# EAGLE board Mk4 Final a Panel score 2x5 (EAGLE 9.0.1), part 25 of 29 (continued)
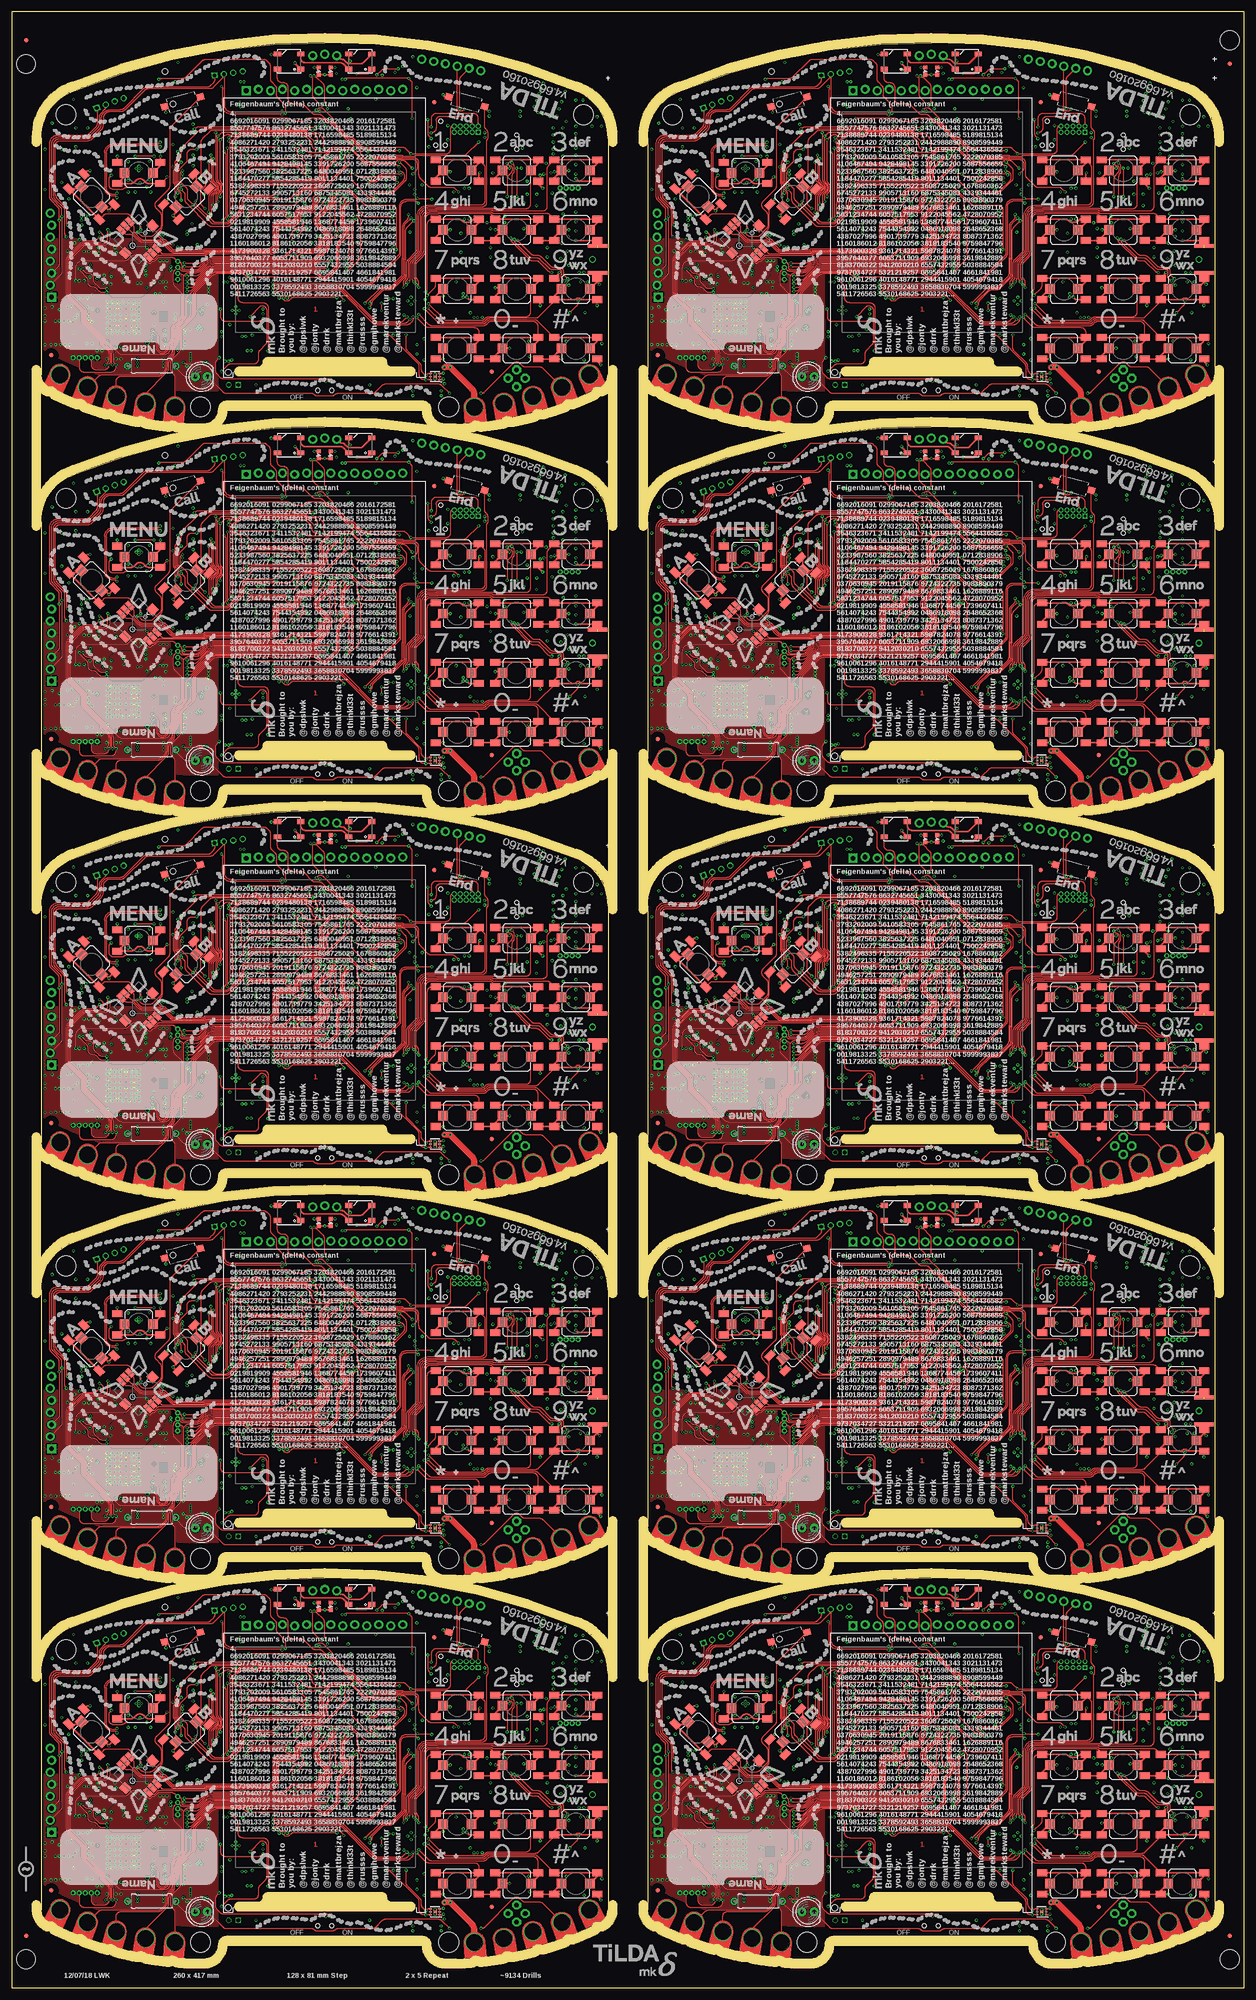
[diagram p0: board, top side]
## Tracks (layer width: path | path; a pad name or v marks a point on that pad's centre or on a via) (continued)
SWO6  (via drill 0.3)
  Top 0.2: v87.75,313.25 87.75,310.41 arc45 88.04,309.71 v88.5,309.25
  Bottom 0.2: J63.6 95.9,313.3 arc90 94.9,314.3 89.16,314.3 arc45 88.46,314.01 87.75,313.3 v87.75,313.25 87.75,312.75 84.89,309.89 arc-45 84.19,309.6 78.51,309.6 arc45 77.81,309.31 76.99,308.49 arc-45 76.29,308.2 75.78,308.2 arc-45 75.43,308.35 75.37,308.4 arc45 75.02,308.55 75,308.55 74.98,308.55 arc45 74.63,308.4 74.57,308.35 arc-45 74.22,308.2 IC110.97 | JP55.6 88.66,309.09 v88.5,309.25
SWO7  (via drill 0.3)
  Top 0.2: v215.75,313.25 215.75,310.41 arc45 216.04,309.71 v216.5,309.25
  Bottom 0.2: J73.6 223.9,313.3 arc90 222.9,314.3 217.16,314.3 arc45 216.46,314.01 215.75,313.3 v215.75,313.25 215.75,312.75 212.89,309.89 arc-45 212.19,309.6 206.51,309.6 arc45 205.81,309.31 204.99,308.49 arc-45 204.29,308.2 203.78,308.2 arc-45 203.43,308.35 203.37,308.4 arc45 203.02,308.55 203,308.55 202.98,308.55 arc45 202.63,308.4 202.57,308.35 arc-45 202.22,308.2 IC128.97 | JP64.6 216.66,309.09 v216.5,309.25
SWO8  (via drill 0.3)
  Top 0.2: v87.75,394.25 87.75,391.41 arc45 88.04,390.71 v88.5,390.25
  Bottom 0.2: J83.6 95.9,394.3 arc90 94.9,395.3 89.16,395.3 arc45 88.46,395.01 87.75,394.3 v87.75,394.25 87.75,393.75 84.89,390.89 arc-45 84.19,390.6 78.51,390.6 arc45 77.81,390.31 76.99,389.49 arc-45 76.29,389.2 75.78,389.2 arc-45 75.43,389.35 75.37,389.4 arc45 75.02,389.55 75,389.55 74.98,389.55 arc45 74.63,389.4 74.57,389.35 arc-45 74.22,389.2 IC146.97 | JP73.6 88.66,390.09 v88.5,390.25
SWO9  (via drill 0.3)
  Top 0.2: v215.75,394.25 215.75,391.41 arc45 216.04,390.71 v216.5,390.25
  Bottom 0.2: J93.6 223.9,394.3 arc90 222.9,395.3 217.16,395.3 arc45 216.46,395.01 215.75,394.3 v215.75,394.25 215.75,393.75 212.89,390.89 arc-45 212.19,390.6 206.51,390.6 arc45 205.81,390.31 204.99,389.49 arc-45 204.29,389.2 203.78,389.2 arc-45 203.43,389.35 203.37,389.4 arc45 203.02,389.55 203,389.55 202.98,389.55 arc45 202.63,389.4 202.57,389.35 arc-45 202.22,389.2 IC164.97 | JP82.6 216.66,390.09 v216.5,390.25
T3CCPO_WS1  (via drill 0.3)
  Top 0.2: v209.8,61.3 210.91,60.19 arc-45 211.2,59.49 211.2,57.91 arc-45 210.91,57.21 208.59,54.89 arc-45 207.89,54.6 v204.3,54.6 | v209.8,63.7 203.71,63.7 arc-45 203.57,63.76 203.39,63.94 arc45 203.25,64 202.32,64 arc-45 201.61,64.29 200,65.9 arc45 199.65,66.05 199.52,66.05 arc-45 198.82,66.34 195.46,69.7 arc45 195.21,69.8 arc-45 194.51,70.09 193.59,71.01 arc45 192.89,71.3 192.11,71.3 arc-45 191.41,71.59 189.79,73.21 arc45 189.09,73.5 187.36,73.5 arc-90 186.36,74.5 186.36,77 arc90 185.36,78 185.05,78 arc-90 184.05,79 LED7.4
  Bottom 0.2: v209.8,63.7 v209.8,61.3 | v204.3,54.6 204.17,54.47 arc-45 203.82,54.33 203.57,54.33 arc45 203.22,54.18 203.19,54.15 arc-45 202.83,54 IC20.125
T3CCPO_WS2  (via drill 0.3)
  Top 0.2: v81.8,142.3 82.91,141.19 arc-45 83.2,140.49 83.2,138.91 arc-45 82.91,138.21 80.59,135.89 arc-45 79.89,135.6 v76.3,135.6 | v81.8,144.7 75.71,144.7 arc-45 75.57,144.76 75.39,144.94 arc45 75.25,145 74.32,145 arc-45 73.61,145.29 72,146.9 arc45 71.64,147.05 71.52,147.05 arc-45 70.82,147.34 67.46,150.7 arc45 67.21,150.8 arc-45 66.51,151.09 65.59,152.01 arc45 64.89,152.3 64.11,152.3 arc-45 63.41,152.59 61.79,154.21 arc45 61.09,154.5 59.36,154.5 arc-90 58.36,155.5 58.36,158 arc90 57.36,159 57.05,159 arc-90 56.05,160 LED13.4
  Bottom 0.2: v81.8,144.7 v81.8,142.3 | v76.3,135.6 76.17,135.47 arc-45 75.82,135.32 75.57,135.32 arc45 75.22,135.18 75.19,135.15 arc-45 74.83,135 IC38.125
T3CCPO_WS3  (via drill 0.3)
  Top 0.2: v209.8,142.3 210.91,141.19 arc-45 211.2,140.49 211.2,138.91 arc-45 210.91,138.21 208.59,135.89 arc-45 207.89,135.6 v204.3,135.6 | v209.8,144.7 203.71,144.7 arc-45 203.57,144.76 203.39,144.94 arc45 203.25,145 202.32,145 arc-45 201.61,145.29 200,146.9 arc45 199.65,147.05 199.52,147.05 arc-45 198.82,147.34 195.46,150.7 arc45 195.21,150.8 arc-45 194.51,151.09 193.59,152.01 arc45 192.89,152.3 192.11,152.3 arc-45 191.41,152.59 189.79,154.21 arc45 189.09,154.5 187.36,154.5 arc-90 186.36,155.5 186.36,158 arc90 185.36,159 185.05,159 arc-90 184.05,160 LED19.4
  Bottom 0.2: v209.8,144.7 v209.8,142.3 | v204.3,135.6 204.17,135.47 arc-45 203.82,135.32 203.57,135.32 arc45 203.22,135.18 203.19,135.15 arc-45 202.83,135 IC56.125
T3CCPO_WS4  (via drill 0.3)
  Top 0.2: v81.8,223.3 82.91,222.19 arc-45 83.2,221.49 83.2,219.91 arc-45 82.91,219.21 80.59,216.89 arc-45 79.89,216.6 v76.3,216.6 | v81.8,225.7 75.71,225.7 arc-45 75.57,225.76 75.39,225.94 arc45 75.25,226 74.32,226 arc-45 73.61,226.29 72,227.9 arc45 71.64,228.05 71.52,228.05 arc-45 70.82,228.34 67.46,231.7 arc45 67.21,231.8 arc-45 66.51,232.09 65.59,233.01 arc45 64.89,233.3 64.11,233.3 arc-45 63.41,233.59 61.79,235.21 arc45 61.09,235.5 59.36,235.5 arc-90 58.36,236.5 58.36,239 arc90 57.36,240 57.05,240 arc-90 56.05,241 LED25.4
  Bottom 0.2: v81.8,225.7 v81.8,223.3 | v76.3,216.6 76.17,216.47 arc-45 75.82,216.32 75.57,216.32 arc45 75.22,216.18 75.19,216.15 arc-45 74.83,216 IC74.125
T3CCPO_WS5  (via drill 0.3)
  Top 0.2: v209.8,223.3 210.91,222.19 arc-45 211.2,221.49 211.2,219.91 arc-45 210.91,219.21 208.59,216.89 arc-45 207.89,216.6 v204.3,216.6 | v209.8,225.7 203.71,225.7 arc-45 203.57,225.76 203.39,225.94 arc45 203.25,226 202.32,226 arc-45 201.61,226.29 200,227.9 arc45 199.65,228.05 199.52,228.05 arc-45 198.82,228.34 195.46,231.7 arc45 195.21,231.8 arc-45 194.51,232.09 193.59,233.01 arc45 192.89,233.3 192.11,233.3 arc-45 191.41,233.59 189.79,235.21 arc45 189.09,235.5 187.36,235.5 arc-90 186.36,236.5 186.36,239 arc90 185.36,240 185.05,240 arc-90 184.05,241 LED31.4
  Bottom 0.2: v209.8,225.7 v209.8,223.3 | v204.3,216.6 204.17,216.47 arc-45 203.82,216.32 203.57,216.32 arc45 203.22,216.18 203.19,216.15 arc-45 202.83,216 IC92.125
T3CCPO_WS6  (via drill 0.3)
  Top 0.2: v81.8,304.3 82.91,303.19 arc-45 83.2,302.49 83.2,300.91 arc-45 82.91,300.21 80.59,297.89 arc-45 79.89,297.6 v76.3,297.6 | v81.8,306.7 75.71,306.7 arc-45 75.57,306.76 75.39,306.94 arc45 75.25,307 74.32,307 arc-45 73.61,307.29 72,308.9 arc45 71.64,309.05 71.52,309.05 arc-45 70.82,309.34 67.46,312.7 arc45 67.21,312.8 arc-45 66.51,313.09 65.59,314.01 arc45 64.89,314.3 64.11,314.3 arc-45 63.41,314.59 61.79,316.21 arc45 61.09,316.5 59.36,316.5 arc-90 58.36,317.5 58.36,320 arc90 57.36,321 57.05,321 arc-90 56.05,322 LED37.4
  Bottom 0.2: v81.8,306.7 v81.8,304.3 | v76.3,297.6 76.17,297.47 arc-45 75.82,297.32 75.57,297.32 arc45 75.22,297.18 75.19,297.15 arc-45 74.83,297 IC110.125
T3CCPO_WS7  (via drill 0.3)
  Top 0.2: v209.8,304.3 210.91,303.19 arc-45 211.2,302.49 211.2,300.91 arc-45 210.91,300.21 208.59,297.89 arc-45 207.89,297.6 v204.3,297.6 | v209.8,306.7 203.71,306.7 arc-45 203.57,306.76 203.39,306.94 arc45 203.25,307 202.32,307 arc-45 201.61,307.29 200,308.9 arc45 199.65,309.05 199.52,309.05 arc-45 198.82,309.34 195.46,312.7 arc45 195.21,312.8 arc-45 194.51,313.09 193.59,314.01 arc45 192.89,314.3 192.11,314.3 arc-45 191.41,314.59 189.79,316.21 arc45 189.09,316.5 187.36,316.5 arc-90 186.36,317.5 186.36,320 arc90 185.36,321 185.05,321 arc-90 184.05,322 LED43.4
  Bottom 0.2: v209.8,306.7 v209.8,304.3 | v204.3,297.6 204.17,297.47 arc-45 203.82,297.32 203.57,297.32 arc45 203.22,297.18 203.19,297.15 arc-45 202.83,297 IC128.125
T3CCPO_WS8  (via drill 0.3)
  Top 0.2: v81.8,385.3 82.91,384.19 arc-45 83.2,383.49 83.2,381.91 arc-45 82.91,381.21 80.59,378.89 arc-45 79.89,378.6 v76.3,378.6 | v81.8,387.7 75.71,387.7 arc-45 75.57,387.76 75.39,387.94 arc45 75.25,388 74.32,388 arc-45 73.61,388.29 72,389.9 arc45 71.64,390.05 71.52,390.05 arc-45 70.82,390.34 67.46,393.7 arc45 67.21,393.8 arc-45 66.51,394.09 65.59,395.01 arc45 64.89,395.3 64.11,395.3 arc-45 63.41,395.59 61.79,397.21 arc45 61.09,397.5 59.36,397.5 arc-90 58.36,398.5 58.36,401 arc90 57.36,402 57.05,402 arc-90 56.05,403 LED49.4
  Bottom 0.2: v81.8,387.7 v81.8,385.3 | v76.3,378.6 76.17,378.47 arc-45 75.82,378.32 75.57,378.32 arc45 75.22,378.18 75.19,378.15 arc-45 74.83,378 IC146.125
T3CCPO_WS9  (via drill 0.3)
  Top 0.2: v209.8,385.3 210.91,384.19 arc-45 211.2,383.49 211.2,381.91 arc-45 210.91,381.21 208.59,378.89 arc-45 207.89,378.6 v204.3,378.6 | v209.8,387.7 203.71,387.7 arc-45 203.57,387.76 203.39,387.94 arc45 203.25,388 202.32,388 arc-45 201.61,388.29 200,389.9 arc45 199.65,390.05 199.52,390.05 arc-45 198.82,390.34 195.46,393.7 arc45 195.21,393.8 arc-45 194.51,394.09 193.59,395.01 arc45 192.89,395.3 192.11,395.3 arc-45 191.41,395.59 189.79,397.21 arc45 189.09,397.5 187.36,397.5 arc-90 186.36,398.5 186.36,401 arc90 185.36,402 185.05,402 arc-90 184.05,403 LED55.4
  Bottom 0.2: v209.8,387.7 v209.8,385.3 | v204.3,378.6 204.17,378.47 arc-45 203.82,378.32 203.57,378.32 arc45 203.22,378.18 203.19,378.15 arc-45 202.83,378 IC164.125
T3CCPO_WS2812  (via drill 0.3)
  Top 0.2: v81.8,61.3 82.91,60.19 arc-45 83.2,59.49 83.2,57.91 arc-45 82.91,57.21 80.59,54.89 arc-45 79.89,54.6 v76.3,54.6 | v81.8,63.7 75.71,63.7 arc-45 75.57,63.76 75.39,63.94 arc45 75.25,64 74.32,64 arc-45 73.61,64.29 72,65.9 arc45 71.64,66.05 71.52,66.05 arc-45 70.82,66.34 67.46,69.7 arc45 67.21,69.8 arc-45 66.51,70.09 65.59,71.01 arc45 64.89,71.3 64.11,71.3 arc-45 63.41,71.59 61.79,73.21 arc45 61.09,73.5 59.36,73.5 arc-90 58.36,74.5 58.36,77 arc90 57.36,78 57.05,78 arc-90 56.05,79 LED1.4
  Bottom 0.2: v81.8,63.7 v81.8,61.3 | v76.3,54.6 76.17,54.47 arc-45 75.82,54.33 75.57,54.33 arc45 75.22,54.18 75.19,54.15 arc-45 74.83,54 IC1.125
T4CCP0  (via drill 0.3)
  Top 0.15: v71,53.2 70.72,52.92 arc45 70.58,52.57 arc-45 70.46,52.3 70.19,52.03 arc45 69.9,51.32 69.9,48.61 arc45 70.19,47.91 70.42,47.68 arc-45 70.6,47.24 70.62,47.22 70.62,46.55 arc-45 70.19,45.49 69.17,44.47 arc45 68.8,43.58 68.8,39.72 arc-45 68.43,38.83 66.87,37.27 arc-45 65.98,36.9 65.41,36.9 arc-45 64.71,37.19 64.29,37.61 arc45 63.59,37.9 50.26,37.9 arc45 49.9,37.75 v49.8,37.65 49.74,37.71 arc45 49.04,38 43.07,38 arc45 42.19,37.63 38.67,34.11 arc45 38.3,33.23 38.3,29.41 arc-45 38.01,28.71 35.67,26.37 arc45 35.3,25.48 35.3,24.01 arc-45 34.69,22.54 arc45 34.4,21.84 34.4,21.3 arc-45 33.96,20.24 33.52,19.79 arc45 33.15,18.91 33.15,17.97 arc-45 32.71,16.91 28.2,12.4 PCB.CH2
  3V3@2 0.15: PCB.CH2 | v16.4,50.2 16.4,49.9 16,49.5 16,47.5 15,46.5 13.5,46.5 12.6,45.6 12.6,44.6 8.37,40.37 JP6.4
  Bottom 0.15: v49.8,37.65 arc-45 49.29,37.86 46.34,40.81 arc45 44.92,41.4 39.23,41.4 arc-45 38.52,41.69 34.93,45.29 arc-45 34.8,45.6 34.8,45.75 arc90 33.05,47.5 30.06,47.5 arc-45 29.36,47.79 27.76,49.39 arc45 26.52,49.9 17.11,49.9 arc-45 v16.41,50.19 v16.4,50.2
  Bottom 0.2: v71,53.2 71.44,53.63 arc-90 72.14,53.63 72.43,53.35 arc45 72.78,53.2 IC1.127
T4CCP1  (via drill 0.3)
  Top 0.15: PCB.CH1 34.38,15.9 arc45 34.09,16.61 33.74,16.96 arc-45 33.45,17.66 33.45,18.89 arc-45 33.74,19.59 35.27,21.12 arc45 35.6,21.91 35.6,25.46 arc-45 35.89,26.17 38.23,28.51 arc45 38.6,29.39 38.6,33.21 arc-45 38.89,33.92 42.38,37.41 arc-45 43.09,37.7 48.59,37.7 arc-45 49.29,37.41 49.45,37.25 arc45 49.81,37.1 v50.4,37.1 56,37.1 56.05,37.05 63.94,37.05 arc-45 64.64,36.76 arc45 65.02,36.6 66.08,36.6 arc45 67.14,37.04 68.66,38.56 arc45 69.1,39.62 69.1,43.49 arc-45 69.39,44.19 70.41,45.21 arc45 70.92,46.45 70.92,47.34 70.9,47.37 arc45 70.66,47.94 70.49,48.11 arc-45 70.2,48.81 70.2,51.19 arc-45 70.49,51.89 v71.8,53.2
  3V3@2 0.15: v15.6,49.9 15.6,47.6 15,47 13,47 12.25,46.25 12.25,45 10.16,42.91 JP6.5
  Bottom 0.15: v50.4,37.1 49.81,37.1 arc-45 49.45,37.25 46.11,40.59 arc45 44.88,41.1 39.11,41.1 arc-45 38.4,41.39 34.65,45.15 arc-45 34.5,45.5 34.5,45.7 arc90 33,47.2 30.02,47.2 arc-45 29.13,47.57 27.54,49.16 arc45 26.48,49.6 16.31,49.6 arc-45 v15.61,49.89 v15.6,49.9
  Bottom 0.2: IC1.128 72.41,52.8 arc-45 72.05,52.95 v71.8,53.2
T4CCP2  (via drill 0.3)
  Top 0.15: v199,53.2 198.72,52.92 arc45 198.57,52.57 arc-45 198.46,52.3 198.19,52.03 arc45 197.9,51.32 197.9,48.61 arc45 198.19,47.91 198.42,47.68 arc-45 198.6,47.24 198.62,47.22 198.62,46.55 arc-45 198.19,45.49 197.17,44.47 arc45 196.8,43.58 196.8,39.72 arc-45 196.43,38.83 194.87,37.27 arc-45 193.98,36.9 193.41,36.9 arc-45 192.71,37.19 192.29,37.61 arc45 191.59,37.9 178.26,37.9 arc45 177.9,37.75 v177.8,37.65 177.74,37.71 arc45 177.04,38 171.07,38 arc45 170.19,37.63 166.67,34.11 arc45 166.3,33.23 166.3,29.41 arc-45 166.01,28.71 163.67,26.37 arc45 163.3,25.48 163.3,24.01 arc-45 162.69,22.54 arc45 162.4,21.84 162.4,21.3 arc-45 161.96,20.24 161.52,19.79 arc45 161.15,18.91 161.15,17.97 arc-45 160.71,16.91 156.2,12.4 PCB1.CH2
  3V3@2 0.15: PCB1.CH2 | v144.4,50.2 144.4,49.9 144,49.5 144,47.5 143,46.5 141.5,46.5 140.6,45.6 140.6,44.6 136.37,40.37 JP17.4
  Bottom 0.15: v177.8,37.65 arc-45 177.29,37.86 174.34,40.81 arc45 172.92,41.4 167.23,41.4 arc-45 166.52,41.69 162.93,45.29 arc-45 162.8,45.6 162.8,45.75 arc90 161.05,47.5 158.06,47.5 arc-45 157.36,47.79 155.76,49.39 arc45 154.53,49.9 145.11,49.9 arc-45 v144.41,50.19 v144.4,50.2
  Bottom 0.2: v199,53.2 199.44,53.63 arc-90 200.14,53.63 200.43,53.35 arc45 200.78,53.2 IC20.127
T4CCP3  (via drill 0.3)
  Top 0.15: PCB1.CH1 162.38,15.9 arc45 162.09,16.61 161.74,16.96 arc-45 161.45,17.66 161.45,18.89 arc-45 161.74,19.59 163.28,21.12 arc45 163.6,21.91 163.6,25.46 arc-45 163.89,26.17 166.23,28.51 arc45 166.6,29.39 166.6,33.21 arc-45 166.89,33.92 170.38,37.41 arc-45 171.09,37.7 176.59,37.7 arc-45 177.29,37.41 177.45,37.25 arc45 177.81,37.1 v178.4,37.1 184,37.1 184.05,37.05 191.94,37.05 arc-45 192.64,36.76 arc45 193.02,36.6 194.08,36.6 arc45 195.14,37.04 196.66,38.56 arc45 197.1,39.62 197.1,43.49 arc-45 197.39,44.19 198.41,45.21 arc45 198.93,46.45 198.93,47.34 198.9,47.37 arc45 198.66,47.94 198.49,48.11 arc-45 198.2,48.81 198.2,51.19 arc-45 198.49,51.89 v199.8,53.2
  3V3@2 0.15: v143.6,49.9 143.6,47.6 143,47 141,47 140.25,46.25 140.25,45 138.16,42.91 JP17.5
  Bottom 0.15: v178.4,37.1 177.81,37.1 arc-45 177.45,37.25 174.11,40.59 arc45 172.88,41.1 167.11,41.1 arc-45 166.4,41.39 162.65,45.15 arc-45 162.5,45.5 162.5,45.7 arc90 161,47.2 158.02,47.2 arc-45 157.13,47.57 155.54,49.16 arc45 154.48,49.6 144.31,49.6 arc-45 v143.61,49.89 v143.6,49.9
  Bottom 0.2: IC20.128 200.41,52.8 arc-45 200.05,52.95 v199.8,53.2
T4CCP4  (via drill 0.3)
  Top 0.15: v71,134.2 70.72,133.92 arc45 70.58,133.57 arc-45 70.46,133.3 70.19,133.03 arc45 69.9,132.32 69.9,129.61 arc45 70.19,128.91 70.42,128.68 arc-45 70.6,128.24 70.62,128.22 70.62,127.55 arc-45 70.19,126.49 69.17,125.47 arc45 68.8,124.58 68.8,120.72 arc-45 68.43,119.83 66.87,118.27 arc-45 65.98,117.9 65.41,117.9 arc-45 64.71,118.19 64.29,118.61 arc45 63.59,118.9 50.26,118.9 arc45 49.9,118.75 v49.8,118.65 49.74,118.71 arc45 49.04,119 43.07,119 arc45 42.19,118.63 38.67,115.11 arc45 38.3,114.23 38.3,110.41 arc-45 38.01,109.71 35.67,107.37 arc45 35.3,106.48 35.3,105.01 arc-45 34.69,103.54 arc45 34.4,102.84 34.4,102.3 arc-45 33.96,101.24 33.52,100.79 arc45 33.15,99.91 33.15,98.97 arc-45 32.71,97.91 28.2,93.4 PCB2.CH2
  3V3@2 0.15: PCB2.CH2 | v16.4,131.2 16.4,130.9 16,130.5 16,128.5 15,127.5 13.5,127.5 12.6,126.6 12.6,125.6 8.37,121.37 JP26.4
  Bottom 0.15: v49.8,118.65 arc-45 49.29,118.86 46.34,121.81 arc45 44.92,122.4 39.23,122.4 arc-45 38.52,122.69 34.93,126.29 arc-45 34.8,126.6 34.8,126.75 arc90 33.05,128.5 30.06,128.5 arc-45 29.36,128.79 27.76,130.39 arc45 26.52,130.9 17.11,130.9 arc-45 v16.41,131.19 v16.4,131.2
  Bottom 0.2: v71,134.2 71.44,134.63 arc-90 72.14,134.63 72.43,134.35 arc45 72.78,134.2 IC38.127
T4CCP5  (via drill 0.3)
  Top 0.15: PCB2.CH1 34.38,96.9 arc45 34.09,97.61 33.74,97.96 arc-45 33.45,98.66 33.45,99.89 arc-45 33.74,100.59 35.27,102.12 arc45 35.6,102.91 35.6,106.46 arc-45 35.89,107.17 38.23,109.51 arc45 38.6,110.39 38.6,114.21 arc-45 38.89,114.92 42.38,118.41 arc-45 43.09,118.7 48.59,118.7 arc-45 49.29,118.41 49.45,118.25 arc45 49.81,118.1 v50.4,118.1 56,118.1 56.05,118.05 63.94,118.05 arc-45 64.64,117.76 arc45 65.02,117.6 66.08,117.6 arc45 67.14,118.04 68.66,119.56 arc45 69.1,120.62 69.1,124.49 arc-45 69.39,125.19 70.41,126.21 arc45 70.92,127.45 70.92,128.34 70.9,128.37 arc45 70.66,128.94 70.49,129.11 arc-45 70.2,129.81 70.2,132.19 arc-45 70.49,132.89 v71.8,134.2
  3V3@2 0.15: v15.6,130.9 15.6,128.6 15,128 13,128 12.25,127.25 12.25,126 10.16,123.91 JP26.5
  Bottom 0.15: v50.4,118.1 49.81,118.1 arc-45 49.45,118.25 46.11,121.59 arc45 44.88,122.1 39.11,122.1 arc-45 38.4,122.39 34.65,126.15 arc-45 34.5,126.5 34.5,126.7 arc90 33,128.2 30.02,128.2 arc-45 29.13,128.57 27.54,130.16 arc45 26.48,130.6 16.31,130.6 arc-45 v15.61,130.89 v15.6,130.9
  Bottom 0.2: IC38.128 72.41,133.8 arc-45 72.05,133.95 v71.8,134.2
T4CCP6  (via drill 0.3)
  Top 0.15: v199,134.2 198.72,133.92 arc45 198.57,133.57 arc-45 198.46,133.3 198.19,133.03 arc45 197.9,132.32 197.9,129.61 arc45 198.19,128.91 198.42,128.68 arc-45 198.6,128.24 198.62,128.22 198.62,127.55 arc-45 198.19,126.49 197.17,125.47 arc45 196.8,124.58 196.8,120.72 arc-45 196.43,119.83 194.87,118.27 arc-45 193.98,117.9 193.41,117.9 arc-45 192.71,118.19 192.29,118.61 arc45 191.59,118.9 178.26,118.9 arc45 177.9,118.75 v177.8,118.65 177.74,118.71 arc45 177.04,119 171.07,119 arc45 170.19,118.63 166.67,115.11 arc45 166.3,114.23 166.3,110.41 arc-45 166.01,109.71 163.67,107.37 arc45 163.3,106.48 163.3,105.01 arc-45 162.69,103.54 arc45 162.4,102.84 162.4,102.3 arc-45 161.96,101.24 161.52,100.79 arc45 161.15,99.91 161.15,98.97 arc-45 160.71,97.91 156.2,93.4 PCB3.CH2
  3V3@2 0.15: PCB3.CH2 | v144.4,131.2 144.4,130.9 144,130.5 144,128.5 143,127.5 141.5,127.5 140.6,126.6 140.6,125.6 136.37,121.37 JP35.4
  Bottom 0.15: v177.8,118.65 arc-45 177.29,118.86 174.34,121.81 arc45 172.92,122.4 167.23,122.4 arc-45 166.52,122.69 162.93,126.29 arc-45 162.8,126.6 162.8,126.75 arc90 161.05,128.5 158.06,128.5 arc-45 157.36,128.79 155.76,130.39 arc45 154.53,130.9 145.11,130.9 arc-45 v144.41,131.19 v144.4,131.2
  Bottom 0.2: v199,134.2 199.44,134.63 arc-90 200.14,134.63 200.43,134.35 arc45 200.78,134.2 IC56.127
T4CCP7  (via drill 0.3)
  Top 0.15: PCB3.CH1 162.38,96.9 arc45 162.09,97.61 161.74,97.96 arc-45 161.45,98.66 161.45,99.89 arc-45 161.74,100.59 163.28,102.12 arc45 163.6,102.91 163.6,106.46 arc-45 163.89,107.17 166.23,109.51 arc45 166.6,110.39 166.6,114.21 arc-45 166.89,114.92 170.38,118.41 arc-45 171.09,118.7 176.59,118.7 arc-45 177.29,118.41 177.45,118.25 arc45 177.81,118.1 v178.4,118.1 184,118.1 184.05,118.05 191.94,118.05 arc-45 192.64,117.76 arc45 193.02,117.6 194.08,117.6 arc45 195.14,118.04 196.66,119.56 arc45 197.1,120.62 197.1,124.49 arc-45 197.39,125.19 198.41,126.21 arc45 198.93,127.45 198.93,128.34 198.9,128.37 arc45 198.66,128.94 198.49,129.11 arc-45 198.2,129.81 198.2,132.19 arc-45 198.49,132.89 v199.8,134.2
  3V3@2 0.15: v143.6,130.9 143.6,128.6 143,128 141,128 140.25,127.25 140.25,126 138.16,123.91 JP35.5
  Bottom 0.15: v178.4,118.1 177.81,118.1 arc-45 177.45,118.25 174.11,121.59 arc45 172.88,122.1 167.11,122.1 arc-45 166.4,122.39 162.65,126.15 arc-45 162.5,126.5 162.5,126.7 arc90 161,128.2 158.02,128.2 arc-45 157.13,128.57 155.54,130.16 arc45 154.48,130.6 144.31,130.6 arc-45 v143.61,130.89 v143.6,130.9
  Bottom 0.2: IC56.128 200.41,133.8 arc-45 200.05,133.95 v199.8,134.2
T4CCP8  (via drill 0.3)
  Top 0.15: v71,215.2 70.72,214.92 arc45 70.58,214.57 arc-45 70.46,214.29 70.19,214.03 arc45 69.9,213.32 69.9,210.61 arc45 70.19,209.91 70.42,209.68 arc-45 70.6,209.24 70.62,209.22 70.62,208.55 arc-45 70.19,207.49 69.17,206.47 arc45 68.8,205.58 68.8,201.72 arc-45 68.43,200.83 66.87,199.27 arc-45 65.98,198.9 65.41,198.9 arc-45 64.71,199.19 64.29,199.61 arc45 63.59,199.9 50.26,199.9 arc45 49.9,199.75 v49.8,199.65 49.74,199.71 arc45 49.04,200 43.07,200 arc45 42.19,199.63 38.67,196.12 arc45 38.3,195.23 38.3,191.41 arc-45 38.01,190.71 35.67,188.37 arc45 35.3,187.48 35.3,186.01 arc-45 34.69,184.54 arc45 34.4,183.84 34.4,183.3 arc-45 33.96,182.24 33.52,181.79 arc45 33.15,180.91 33.15,179.97 arc-45 32.71,178.91 28.2,174.4 PCB4.CH2
  3V3@2 0.15: PCB4.CH2 | v16.4,212.2 16.4,211.9 16,211.5 16,209.5 15,208.5 13.5,208.5 12.6,207.6 12.6,206.6 8.37,202.37 JP44.4
  Bottom 0.15: v49.8,199.65 arc-45 49.29,199.86 46.34,202.81 arc45 44.92,203.4 39.23,203.4 arc-45 38.52,203.69 34.93,207.29 arc-45 34.8,207.6 34.8,207.75 arc90 33.05,209.5 30.06,209.5 arc-45 29.36,209.79 27.76,211.39 arc45 26.52,211.9 17.11,211.9 arc-45 v16.41,212.19 v16.4,212.2
  Bottom 0.2: v71,215.2 71.44,215.63 arc-90 72.14,215.63 72.43,215.35 arc45 72.78,215.2 IC74.127
T4CCP9  (via drill 0.3)
  Top 0.15: PCB4.CH1 34.38,177.9 arc45 34.09,178.61 33.74,178.96 arc-45 33.45,179.66 33.45,180.89 arc-45 33.74,181.59 35.27,183.12 arc45 35.6,183.91 35.6,187.46 arc-45 35.89,188.17 38.23,190.51 arc45 38.6,191.39 38.6,195.21 arc-45 38.89,195.92 42.38,199.41 arc-45 43.09,199.7 48.59,199.7 arc-45 49.29,199.41 49.45,199.25 arc45 49.81,199.1 v50.4,199.1 56,199.1 56.05,199.05 63.94,199.05 arc-45 64.64,198.76 arc45 65.02,198.6 66.08,198.6 arc45 67.14,199.04 68.66,200.56 arc45 69.1,201.62 69.1,205.49 arc-45 69.39,206.19 70.41,207.21 arc45 70.92,208.45 70.92,209.34 70.9,209.37 arc45 70.66,209.94 70.49,210.11 arc-45 70.2,210.81 70.2,213.19 arc-45 70.49,213.89 v71.8,215.2
  3V3@2 0.15: v15.6,211.9 15.6,209.6 15,209 13,209 12.25,208.25 12.25,207 10.16,204.91 JP44.5
  Bottom 0.15: v50.4,199.1 49.81,199.1 arc-45 49.45,199.25 46.11,202.59 arc45 44.88,203.1 39.11,203.1 arc-45 38.4,203.39 34.65,207.15 arc-45 34.5,207.5 34.5,207.7 arc90 33,209.2 30.02,209.2 arc-45 29.13,209.57 27.54,211.16 arc45 26.48,211.6 16.31,211.6 arc-45 v15.61,211.89 v15.6,211.9
  Bottom 0.2: IC74.128 72.41,214.8 arc-45 72.05,214.95 v71.8,215.2
T4CCP10  (via drill 0.3)
  Top 0.15: v199,215.2 198.72,214.92 arc45 198.57,214.57 arc-45 198.46,214.29 198.19,214.03 arc45 197.9,213.32 197.9,210.61 arc45 198.19,209.91 198.42,209.68 arc-45 198.6,209.24 198.62,209.22 198.62,208.55 arc-45 198.19,207.49 197.17,206.47 arc45 196.8,205.58 196.8,201.72 arc-45 196.43,200.83 194.87,199.27 arc-45 193.98,198.9 193.41,198.9 arc-45 192.71,199.19 192.29,199.61 arc45 191.59,199.9 178.26,199.9 arc45 177.9,199.75 v177.8,199.65 177.74,199.71 arc45 177.04,200 171.07,200 arc45 170.19,199.63 166.67,196.12 arc45 166.3,195.23 166.3,191.41 arc-45 166.01,190.71 163.67,188.37 arc45 163.3,187.48 163.3,186.01 arc-45 162.69,184.54 arc45 162.4,183.84 162.4,183.3 arc-45 161.96,182.24 161.52,181.79 arc45 161.15,180.91 161.15,179.97 arc-45 160.71,178.91 156.2,174.4 PCB5.CH2
  3V3@2 0.15: PCB5.CH2 | v144.4,212.2 144.4,211.9 144,211.5 144,209.5 143,208.5 141.5,208.5 140.6,207.6 140.6,206.6 136.37,202.37 JP53.4
  Bottom 0.15: v177.8,199.65 arc-45 177.29,199.86 174.34,202.81 arc45 172.92,203.4 167.23,203.4 arc-45 166.52,203.69 162.93,207.29 arc-45 162.8,207.6 162.8,207.75 arc90 161.05,209.5 158.06,209.5 arc-45 157.36,209.79 155.76,211.39 arc45 154.53,211.9 145.11,211.9 arc-45 v144.41,212.19 v144.4,212.2
  Bottom 0.2: v199,215.2 199.44,215.63 arc-90 200.14,215.63 200.43,215.35 arc45 200.78,215.2 IC92.127
T4CCP11  (via drill 0.3)
  Top 0.15: PCB5.CH1 162.38,177.9 arc45 162.09,178.61 161.74,178.96 arc-45 161.45,179.66 161.45,180.89 arc-45 161.74,181.59 163.28,183.12 arc45 163.6,183.91 163.6,187.46 arc-45 163.89,188.17 166.23,190.51 arc45 166.6,191.39 166.6,195.21 arc-45 166.89,195.92 170.38,199.41 arc-45 171.09,199.7 176.59,199.7 arc-45 177.29,199.41 177.45,199.25 arc45 177.81,199.1 v178.4,199.1 184,199.1 184.05,199.05 191.94,199.05 arc-45 192.64,198.76 arc45 193.02,198.6 194.08,198.6 arc45 195.14,199.04 196.66,200.56 arc45 197.1,201.62 197.1,205.49 arc-45 197.39,206.19 198.41,207.21 arc45 198.93,208.45 198.93,209.34 198.9,209.37 arc45 198.66,209.94 198.49,210.11 arc-45 198.2,210.81 198.2,213.19 arc-45 198.49,213.89 v199.8,215.2
  3V3@2 0.15: v143.6,211.9 143.6,209.6 143,209 141,209 140.25,208.25 140.25,207 138.16,204.91 JP53.5
  Bottom 0.15: v178.4,199.1 177.81,199.1 arc-45 177.45,199.25 174.11,202.59 arc45 172.88,203.1 167.11,203.1 arc-45 166.4,203.39 162.65,207.15 arc-45 162.5,207.5 162.5,207.7 arc90 161,209.2 158.02,209.2 arc-45 157.13,209.57 155.54,211.16 arc45 154.48,211.6 144.31,211.6 arc-45 v143.61,211.89 v143.6,211.9
  Bottom 0.2: IC92.128 200.41,214.8 arc-45 200.05,214.95 v199.8,215.2
T4CCP12  (via drill 0.3)
  Top 0.15: v71,296.2 70.72,295.92 arc45 70.58,295.57 arc-45 70.46,295.3 70.19,295.03 arc45 69.9,294.32 69.9,291.61 arc45 70.19,290.91 70.42,290.68 arc-45 70.6,290.24 70.62,290.22 70.62,289.55 arc-45 70.19,288.49 69.17,287.47 arc45 68.8,286.58 68.8,282.72 arc-45 68.43,281.83 66.87,280.27 arc-45 65.98,279.9 65.41,279.9 arc-45 64.71,280.19 64.29,280.61 arc45 63.59,280.9 50.26,280.9 arc45 49.9,280.75 v49.8,280.65 49.74,280.71 arc45 49.04,281 43.07,281 arc45 42.19,280.63 38.67,277.12 arc45 38.3,276.23 38.3,272.41 arc-45 38.01,271.71 35.67,269.37 arc45 35.3,268.48 35.3,267.01 arc-45 34.69,265.54 arc45 34.4,264.84 34.4,264.3 arc-45 33.96,263.24 33.52,262.79 arc45 33.15,261.91 33.15,260.97 arc-45 32.71,259.91 28.2,255.4 PCB6.CH2
  3V3@2 0.15: PCB6.CH2 | v16.4,293.2 16.4,292.9 16,292.5 16,290.5 15,289.5 13.5,289.5 12.6,288.6 12.6,287.6 8.37,283.37 JP62.4